# KiCad board ECB-4PIO.kicad_pcb
title: ECB-PIO-I2C; date: 2021-02-27; rev: R04; company: Original design by Dr. Wolfgang Kabatzke; note: Regeneration and correction of R03 by Phillip Summers difficultylevelhigh@gmail.com
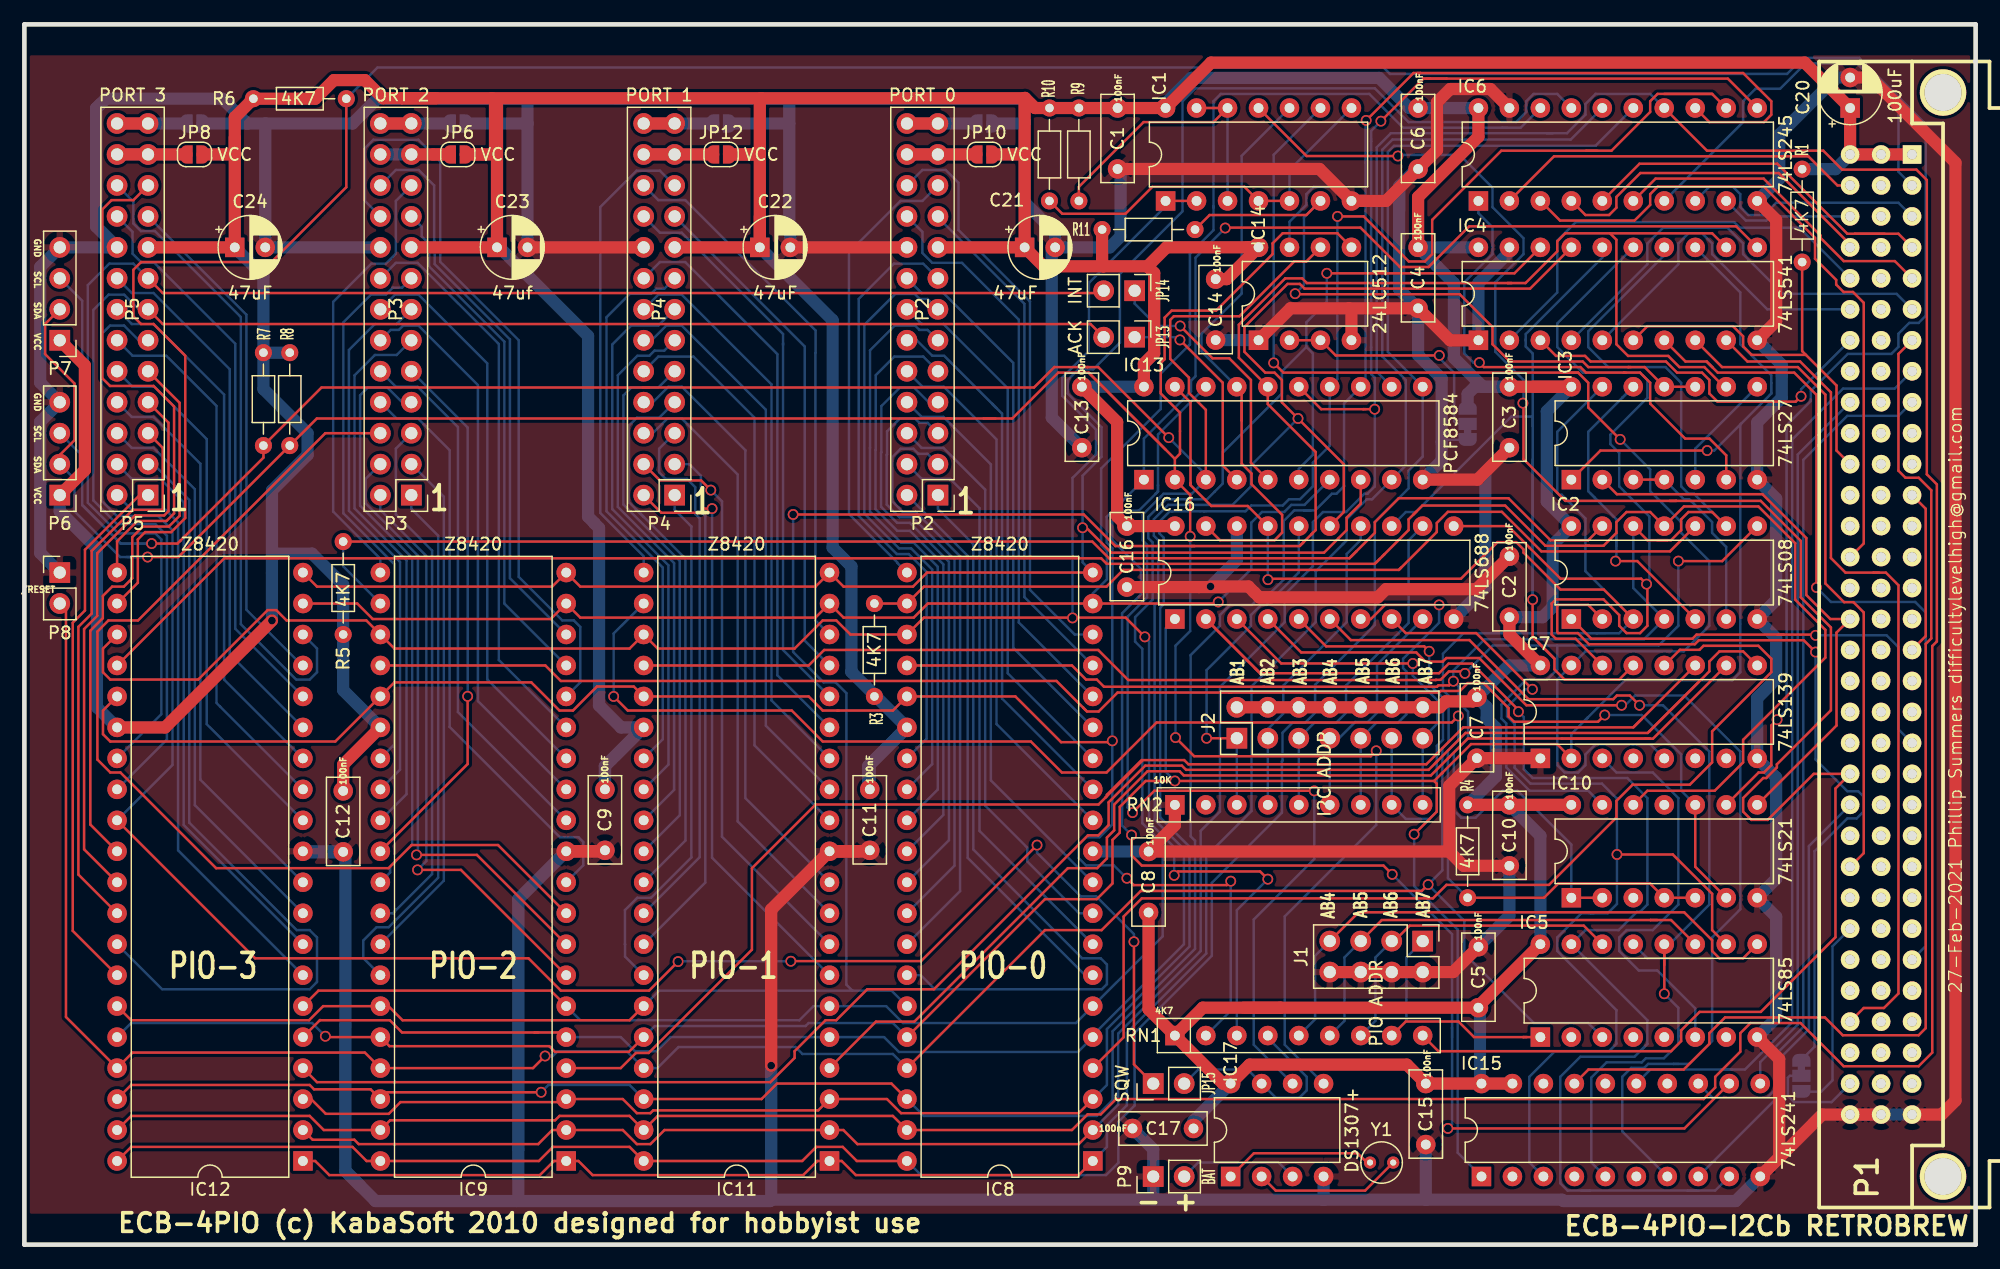
[diagram p0: board, top side]
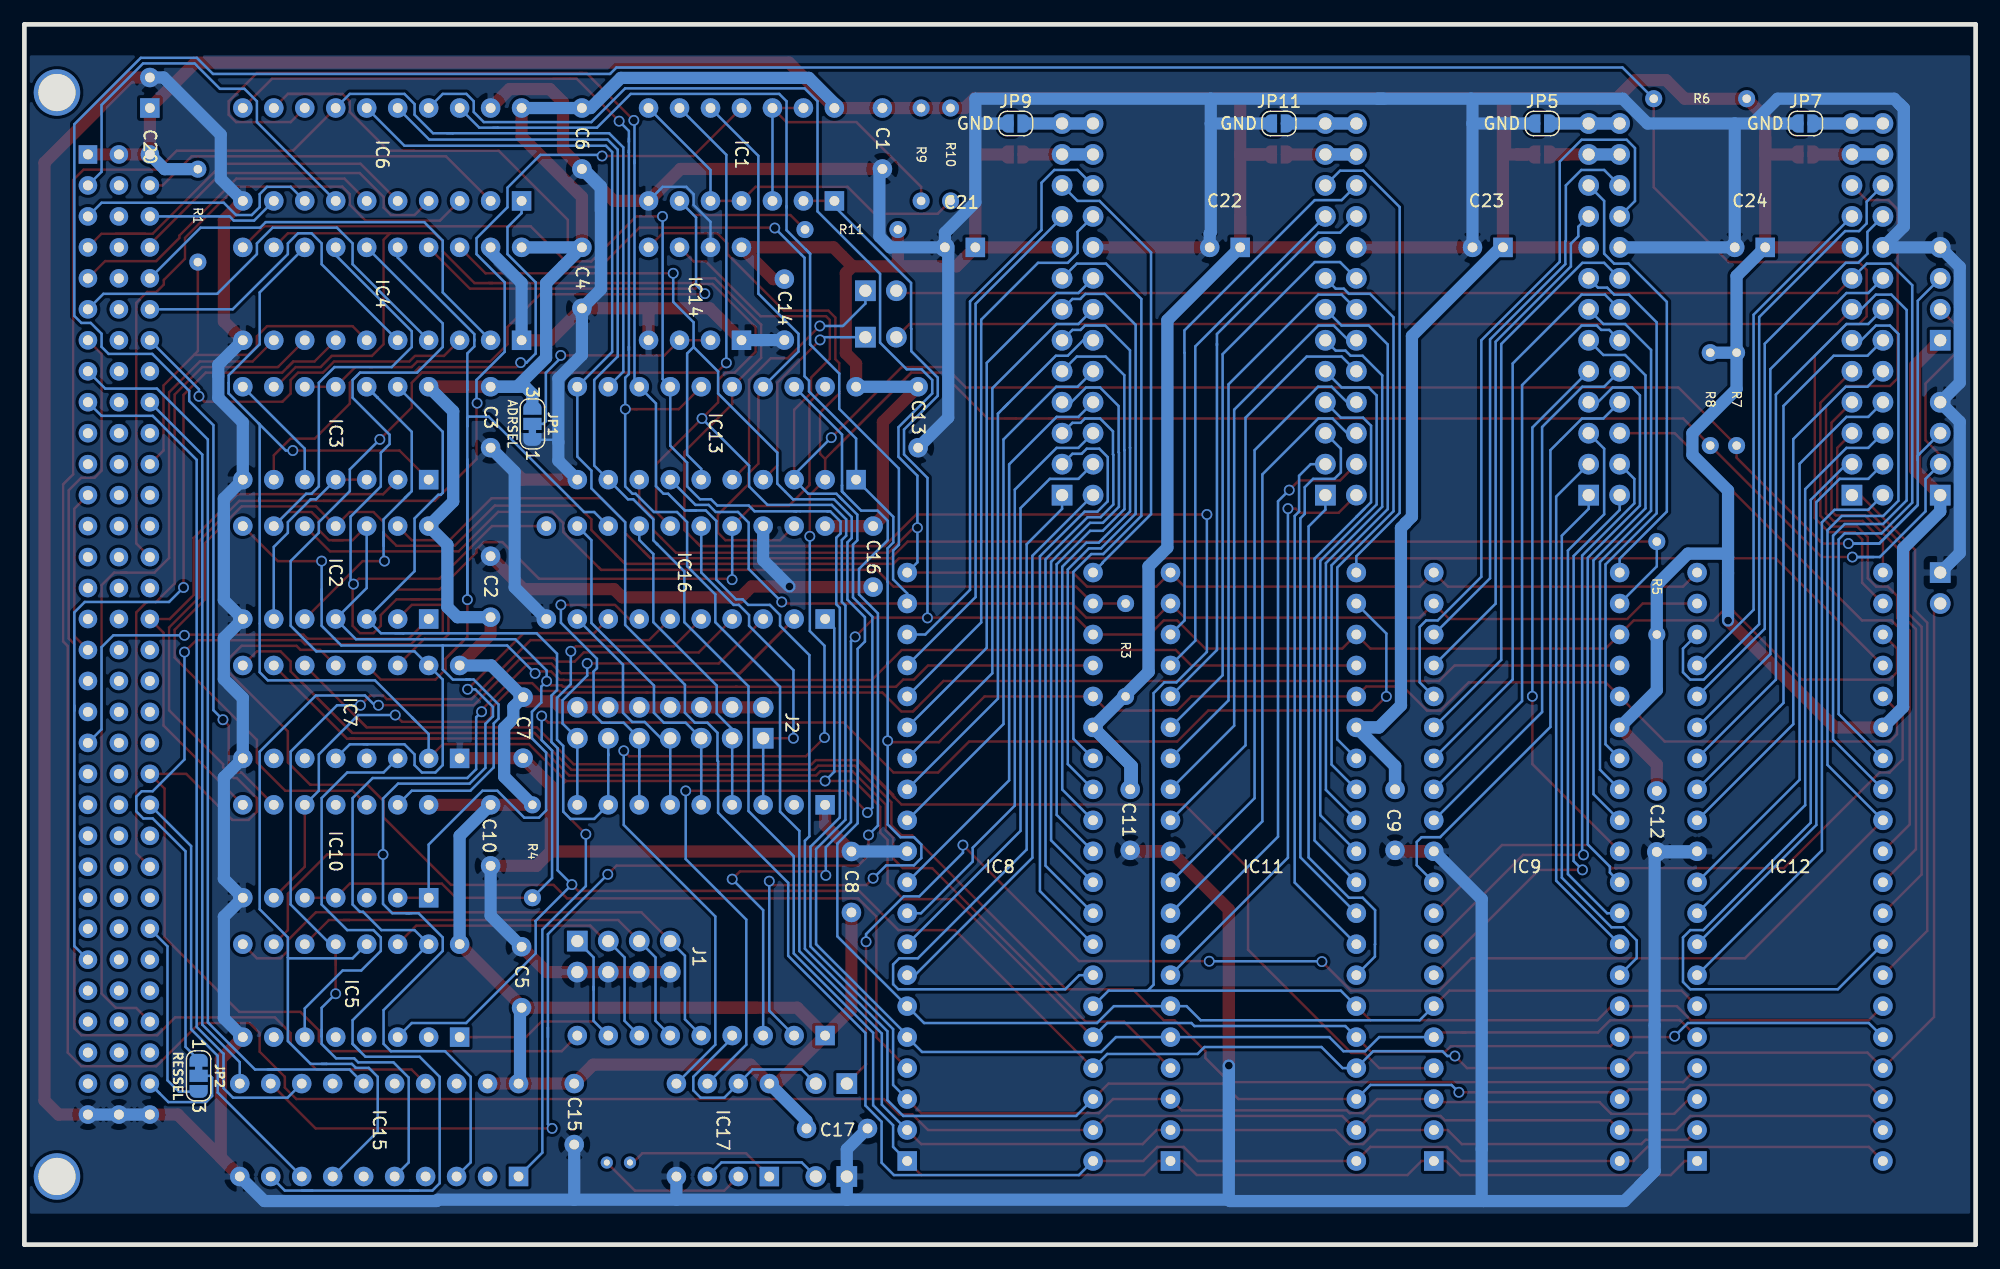
[diagram p1: board, bottom side, seen from below]

Outline 160 x 100.08 mm; copper layers: Vorderseite, Rückseite. Coordinates in mm from the lower left corner of the outline.
Outline path: 0,100.08 0,0 160,0 160,100.08 0,100.08

## Placement (name value [footprint] x y rotation side)
C1  100nF  [C_Disc_D7.0mm_W2.5mm_P5.00mm]  89.64 93.22 270 top
C2  100nF  [C_Disc_D7.0mm_W2.5mm_P5.00mm]  121.77 51.46 90 top
C3  100nF  [C_Disc_D7.0mm_W2.5mm_P5.00mm]  121.77 70.36 270 top
C4  100nF  [C_Disc_D7.0mm_W2.5mm_P5.00mm]  114.28 81.79 270 top
C5  100nF  [C_Disc_D7.0mm_W2.5mm_P5.00mm]  119.23 19.43 90 top
C6  100nF  [C_Disc_D7.0mm_W2.5mm_P5.00mm]  114.28 93.22 270 top
C7  100nF  [C_Disc_D7.0mm_W2.5mm_P5.00mm]  119.11 44.89 270 top
C8  100nF  [C_Disc_D7.0mm_W2.5mm_P5.00mm]  92.18 27.24 90 top
C9  100nF  [C_Disc_D7.0mm_W2.5mm_P5.00mm]  47.6 37.34 270 top
C10  100nF  [C_Disc_D7.0mm_W2.5mm_P5.00mm]  121.77 36.07 270 top
C11  100nF  [C_Disc_D7.0mm_W2.5mm_P5.00mm]  69.32 37.34 270 top
C12  100nF  [C_Disc_D7.0mm_W2.5mm_P5.00mm]  26.14 37.21 270 top
C13  100nF  [C_Disc_D7.0mm_W2.5mm_P5.00mm]  86.71 70.36 270 top
C14  100nF  [C_Disc_D7.0mm_W2.5mm_P5.00mm]  97.68 79.18 270 top
C15  100nF  [C_Disc_D7.0mm_W2.5mm_P5.00mm]  114.91 13.21 270 top
C16  100nF  [C_Disc_D7.0mm_W2.5mm_P5.00mm]  90.4 58.93 270 top
C17  100nF  [C_Disc_D7.0mm_W2.5mm_P5.00mm]  95.87 9.53 180 top
C20  100uF  [CP_Radial_D5.0mm_P2.50mm]  149.71 93.22 90 top
C21  47uF  [CP_Radial_D5.0mm_P2.50mm]  82.02 81.79 0 top
C22  47uF  [CP_Radial_D5.0mm_P2.50mm]  60.3 81.79 0 top
C23  47uf  [CP_Radial_D5.0mm_P2.50mm]  38.76 81.79 0 top
C24  47uF  [CP_Radial_D5.0mm_P2.50mm]  17.25 81.79 0 top
IC1  74LS38  [DIP-14_W7.62mm]  93.58 85.6 90 top
IC2  74LS08  [DIP-14_W7.62mm]  126.85 51.31 90 top
IC3  74LS27  [DIP-14_W7.62mm]  126.85 62.74 90 top
IC4  74LS541  [DIP-20_W7.62mm]  119.23 74.17 90 top
IC5  74LS85  [DIP-16_W7.62mm]  124.31 17.02 90 top
IC6  74LS245  [DIP-20_W7.62mm]  119.23 85.6 90 top
IC7  74LS139  [DIP-16_W7.62mm]  124.31 39.88 90 top
IC8  Z8420  [DIP-40_W15.24mm]  87.61 6.86 180 top
IC9  Z8420  [DIP-40_W15.24mm]  44.43 6.86 180 top
IC10  74LS21  [DIP-14_W7.62mm]  126.85 28.45 90 top
IC11  Z8420  [DIP-40_W15.24mm]  66.02 6.86 180 top
IC12  Z8420  [DIP-40_W15.24mm]  22.84 6.86 180 top
IC13  PCF8584  [DIP-20_W7.62mm]  91.8 62.74 90 top
IC14  24LC512  [DIP-8_W7.62mm]  101.2 74.17 90 top
IC15  74LS241  [DIP-20_W7.62mm]  119.48 5.59 90 top
IC16  74LS688  [DIP-20_W7.62mm]  94.34 51.31 90 top
IC17  DS1307+  [DIP-8_W7.62mm]  98.91 5.59 90 top
J1  PIO ADDR  [PinHeader_2x04_P2.54mm_Vertical]  114.66 24.89 270 top
J2  I2C ADDR  [PinHeader_2x07_P2.54mm_Vertical]  99.42 41.53 90 top
JP1  ADRSEL  [SolderJumper-3_P1.3mm_Bridged12_RoundedPad1.0x1.5mm_NumberLabels]  118.34 67.31 90 bottom
JP2  RESSEL  [SolderJumper-3_P1.3mm_Bridged12_RoundedPad1.0x1.5mm_NumberLabels]  145.71 13.84 270 bottom
JP5  GND  [SolderJumper-2_P1.3mm_Open_RoundedPad1.0x1.5mm]  35.54 91.95 180 bottom
JP6  VCC  [SolderJumper-2_P1.3mm_Open_RoundedPad1.0x1.5mm]  35.54 89.41 0 top
JP7  GND  [SolderJumper-2_P1.3mm_Open_RoundedPad1.0x1.5mm]  13.95 91.95 180 bottom
JP8  VCC  [SolderJumper-2_P1.3mm_Open_RoundedPad1.0x1.5mm]  13.95 89.41 0 top
JP9  GND  [SolderJumper-2_P1.3mm_Open_RoundedPad1.0x1.5mm]  78.72 91.95 180 bottom
JP10  VCC  [SolderJumper-2_P1.3mm_Open_RoundedPad1.0x1.5mm]  78.72 89.41 0 top
JP11  GND  [SolderJumper-2_P1.3mm_Open_RoundedPad1.0x1.5mm]  57.13 91.95 180 bottom
JP12  VCC  [SolderJumper-2_P1.3mm_Open_RoundedPad1.0x1.5mm]  57.13 89.41 0 top
JP13  ACK  [PinHeader_1x02_P2.54mm_Vertical]  91.04 74.42 270 top
JP14  INT  [PinHeader_1x02_P2.54mm_Vertical]  91.04 78.23 270 top
JP15  SQW  [PinHeader_1x02_P2.54mm_Vertical]  92.56 13.21 90 top
P1  C96ABC  [C96ABCMC]  152.25 50.04 90 top
P2  PORT 0  [PinHeader_2x13_P2.54mm_Vertical]  74.91 61.47 180 top
P3  PORT 2  [PinHeader_2x13_P2.54mm_Vertical]  31.73 61.47 180 top
P4  PORT 1  [PinHeader_2x13_P2.54mm_Vertical]  53.32 61.47 180 top
P5  PORT 3  [PinHeader_2x13_P2.54mm_Vertical]  10.14 61.47 180 top
P6  I2C  [PinHeader_1x04_P2.54mm_Vertical]  2.9 61.47 180 top
P7  I2C  [PinHeader_1x04_P2.54mm_Vertical]  2.9 74.17 180 top
P8  /RESET  [PinHeader_1x02_P2.54mm_Vertical]  2.9 55.12 0 top
P9  BAT  [PinHeader_1x02_P2.54mm_Vertical]  92.56 5.59 90 top
R1  4K7  [R_Axial_DIN0204_L3.6mm_D1.6mm_P7.62mm_Horizontal]  145.78 88.2 270 top
R3  4K7  [R_Axial_DIN0204_L3.6mm_D1.6mm_P7.62mm_Horizontal]  69.7 44.96 90 top
R4  4K7  [R_Axial_DIN0204_L3.6mm_D1.6mm_P7.62mm_Horizontal]  118.34 36.07 270 top
R5  4K7  [R_Axial_DIN0204_L3.6mm_D1.6mm_P7.62mm_Horizontal]  26.14 50.04 90 top
R6  4K7  [R_Axial_DIN0204_L3.6mm_D1.6mm_P7.62mm_Horizontal]  18.78 93.98 0 top
R7  4K7  [R_Axial_DIN0204_L3.6mm_D1.6mm_P7.62mm_Horizontal]  19.6 73.15 270 top
R8  4K7  [R_Axial_DIN0204_L3.6mm_D1.6mm_P7.62mm_Horizontal]  21.76 73.15 270 top
R9  4K7  [R_Axial_DIN0204_L3.6mm_D1.6mm_P7.62mm_Horizontal]  86.47 93.22 270 top
R10  4K7  [R_Axial_DIN0204_L3.6mm_D1.6mm_P7.62mm_Horizontal]  84.05 93.22 270 top
R11  4K7  [R_Axial_DIN0204_L3.6mm_D1.6mm_P7.62mm_Horizontal]  88.37 83.25 0 top
RN1  4K7  [R_Array_SIP9]  94.34 17.15 0 top
RN2  10K  [R_Array_SIP9]  94.34 36.07 0 top
Y1  32768  [Crystal_Round_D3.0mm_Vertical]  110.34 6.73 0 top

## Footprints (pads in the part's own frame, mm; a bottom-side part is the same pattern mirrored in y, then rotated)
C96ABCMC
  rect 1.524x1.524 hole 0.813: A1(39.37,-2.54)
  round 1.524 hole 0.813: A2(36.83,-2.54) A3(34.29,-2.54) A4(31.75,-2.54) A5(29.21,-2.54) A6(26.67,-2.54) A7(24.13,-2.54) A8(21.59,-2.54) A9(19.05,-2.54) A10(16.51,-2.54) A11(13.97,-2.54) A12(11.43,-2.54) A13(8.89,-2.54) A14(6.35,-2.54) A15(3.81,-2.54) A16(1.27,-2.54) A17(-1.27,-2.54) A18(-3.81,-2.54) A19(-6.35,-2.54) A20(-8.89,-2.54) A21(-11.43,-2.54) A22(-13.97,-2.54) A23(-16.51,-2.54) A24(-19.05,-2.54) A25(-21.59,-2.54) A26(-24.13,-2.54) A27(-26.67,-2.54) A28(-29.21,-2.54) A29(-31.75,-2.54) A30(-34.29,-2.54) A31(-36.83,-2.54) A32(-39.37,-2.54) B1(39.37,0) B2(36.83,0) B3(34.29,0) B4(31.75,0) B5(29.21,0) B6(26.67,0) B7(24.13,0) B8(21.59,0) B9(19.05,0) B10(16.51,0) B11(13.97,0) B12(11.43,0) B13(8.89,0) B14(6.35,0) B15(3.81,0) B16(1.27,0) B17(-1.27,0) B18(-3.81,0) B19(-6.35,0) B20(-8.89,0) B21(-11.43,0) B22(-13.97,0) B23(-16.51,0) B24(-19.05,0) B25(-21.59,0) B26(-24.13,0) B27(-26.67,0) B28(-29.21,0) B29(-31.75,0) B30(-34.29,0) B31(-36.83,0) B32(-39.37,0) C1(39.37,2.54) C2(36.83,2.54) C3(34.29,2.54) C4(31.75,2.54) C5(29.21,2.54) C6(26.67,2.54) C7(24.13,2.54) C8(21.59,2.54) C9(19.05,2.54) C10(16.51,2.54) C11(13.97,2.54) C12(11.43,2.54) C13(8.89,2.54) C14(6.35,2.54) C15(3.81,2.54) C16(1.27,2.54) C17(-1.27,2.54) C18(-3.81,2.54) C19(-6.35,2.54) C20(-8.89,2.54) C21(-11.43,2.54) C22(-13.97,2.54) C23(-16.51,2.54) C24(-19.05,2.54) C25(-21.59,2.54) C26(-24.13,2.54) C27(-26.67,2.54) C28(-29.21,2.54) C29(-31.75,2.54) C30(-34.29,2.54) C31(-36.83,2.54) C32(-39.37,2.54)
  round 3.81 hole 3.048: HOLE(-44.45,-5.08) HOLE(44.45,-5.08)
C_Disc_D7.0mm_W2.5mm_P5.00mm
  round 1.6 hole 0.8: 1(0,0) 2(5,0)
CP_Radial_D5.0mm_P2.50mm
  rect 1.6x1.6 hole 0.8: 1(0,0)
  round 1.6 hole 0.8: 2(2.5,0)
Crystal_Round_D3.0mm_Vertical
  round 1 hole 0.5: 1(0,0) 2(1.9,0)
DIP-8_W7.62mm
  rect 1.6x1.6 hole 0.8: 1(0,0)
  oval 1.6x1.6 hole 0.8: 2(0,-2.54) 3(0,-5.08) 4(0,-7.62) 5(7.62,-7.62) 6(7.62,-5.08) 7(7.62,-2.54) 8(7.62,0)
DIP-14_W7.62mm
  rect 1.6x1.6 hole 0.8: 1(0,0)
  oval 1.6x1.6 hole 0.8: 2(0,-2.54) 3(0,-5.08) 4(0,-7.62) 5(0,-10.16) 6(0,-12.7) 7(0,-15.24) 8(7.62,-15.24) 9(7.62,-12.7) 10(7.62,-10.16) 11(7.62,-7.62) 12(7.62,-5.08) 13(7.62,-2.54) 14(7.62,0)
DIP-16_W7.62mm
  rect 1.6x1.6 hole 0.8: 1(0,0)
  oval 1.6x1.6 hole 0.8: 2(0,-2.54) 3(0,-5.08) 4(0,-7.62) 5(0,-10.16) 6(0,-12.7) 7(0,-15.24) 8(0,-17.78) 9(7.62,-17.78) 10(7.62,-15.24) 11(7.62,-12.7) 12(7.62,-10.16) 13(7.62,-7.62) 14(7.62,-5.08) 15(7.62,-2.54) 16(7.62,0)
DIP-20_W7.62mm
  rect 1.6x1.6 hole 0.8: 1(0,0)
  oval 1.6x1.6 hole 0.8: 2(0,-2.54) 3(0,-5.08) 4(0,-7.62) 5(0,-10.16) 6(0,-12.7) 7(0,-15.24) 8(0,-17.78) 9(0,-20.32) 10(0,-22.86) 11(7.62,-22.86) 12(7.62,-20.32) 13(7.62,-17.78) 14(7.62,-15.24) 15(7.62,-12.7) 16(7.62,-10.16) 17(7.62,-7.62) 18(7.62,-5.08) 19(7.62,-2.54) 20(7.62,0)
DIP-40_W15.24mm
  rect 1.6x1.6 hole 0.8: 1(0,0)
  oval 1.6x1.6 hole 0.8: 2(0,-2.54) 3(0,-5.08) 4(0,-7.62) 5(0,-10.16) 6(0,-12.7) 7(0,-15.24) 8(0,-17.78) 9(0,-20.32) 10(0,-22.86) 11(0,-25.4) 12(0,-27.94) 13(0,-30.48) 14(0,-33.02) 15(0,-35.56) 16(0,-38.1) 17(0,-40.64) 18(0,-43.18) 19(0,-45.72) 20(0,-48.26) 21(15.24,-48.26) 22(15.24,-45.72) 23(15.24,-43.18) 24(15.24,-40.64) 25(15.24,-38.1) 26(15.24,-35.56) 27(15.24,-33.02) 28(15.24,-30.48) 29(15.24,-27.94) 30(15.24,-25.4) 31(15.24,-22.86) 32(15.24,-20.32) 33(15.24,-17.78) 34(15.24,-15.24) 35(15.24,-12.7) 36(15.24,-10.16) 37(15.24,-7.62) 38(15.24,-5.08) 39(15.24,-2.54) 40(15.24,0)
PinHeader_1x02_P2.54mm_Vertical
  rect 1.7x1.7 hole 1: 1(0,0)
  oval 1.7x1.7 hole 1: 2(0,-2.54)
PinHeader_1x04_P2.54mm_Vertical
  rect 1.7x1.7 hole 1: 1(0,0)
  oval 1.7x1.7 hole 1: 2(0,-2.54) 3(0,-5.08) 4(0,-7.62)
PinHeader_2x04_P2.54mm_Vertical
  rect 1.7x1.7 hole 1: 1(0,0)
  oval 1.7x1.7 hole 1: 2(2.54,0) 3(0,-2.54) 4(2.54,-2.54) 5(0,-5.08) 6(2.54,-5.08) 7(0,-7.62) 8(2.54,-7.62)
PinHeader_2x07_P2.54mm_Vertical
  rect 1.7x1.7 hole 1: 1(0,0)
  oval 1.7x1.7 hole 1: 2(2.54,0) 3(0,-2.54) 4(2.54,-2.54) 5(0,-5.08) 6(2.54,-5.08) 7(0,-7.62) 8(2.54,-7.62) 9(0,-10.16) 10(2.54,-10.16) 11(0,-12.7) 12(2.54,-12.7) 13(0,-15.24) 14(2.54,-15.24)
PinHeader_2x13_P2.54mm_Vertical
  rect 1.7x1.7 hole 1: 1(0,0)
  oval 1.7x1.7 hole 1: 2(2.54,0) 3(0,-2.54) 4(2.54,-2.54) 5(0,-5.08) 6(2.54,-5.08) 7(0,-7.62) 8(2.54,-7.62) 9(0,-10.16) 10(2.54,-10.16) 11(0,-12.7) 12(2.54,-12.7) 13(0,-15.24) 14(2.54,-15.24) 15(0,-17.78) 16(2.54,-17.78) 17(0,-20.32) 18(2.54,-20.32) 19(0,-22.86) 20(2.54,-22.86) 21(0,-25.4) 22(2.54,-25.4) 23(0,-27.94) 24(2.54,-27.94) 25(0,-30.48) 26(2.54,-30.48)
R_Array_SIP9
  rect 1.6x1.6 hole 0.8: 1(0,0)
  oval 1.6x1.6 hole 0.8: 2(2.54,0) 3(5.08,0) 4(7.62,0) 5(10.16,0) 6(12.7,0) 7(15.24,0) 8(17.78,0) 9(20.32,0)
R_Axial_DIN0204_L3.6mm_D1.6mm_P7.62mm_Horizontal
  round 1.4 hole 0.7: 1(0,0)
  oval 1.4x1.4 hole 0.7: 2(7.62,0)
SolderJumper-2_P1.3mm_Open_RoundedPad1.0x1.5mm
  custom 1x1.5 smd: 1(-0.65,0) 2(0.65,0)
SolderJumper-3_P1.3mm_Bridged12_RoundedPad1.0x1.5mm_NumberLabels
  custom 1.05x1.5 smd: 1(-1.3,0) 3(1.3,0)
  rect 1x1.5 smd: 2(0,0)

## Nets
GND: C1.2 C2.2 C3.2 C4.2 C5.2 C6.2 C7.2 C8.2 C9.2 C10.2 C11.2 C12.2 C13.2 C14.2 C15.2 C16.2 C17.2 C20.2 C21.2 C22.2 C23.2 C24.2 IC1.7 IC2.7 IC3.7 IC4.1 IC4.10 IC4.19 IC5.8 IC6.10 IC6.19 IC7.1 IC7.8 IC8.11 IC9.11 IC10.7 IC11.11 IC12.11 IC13.10 IC14.1 IC14.4 IC14.7 IC15.10 IC16.10 IC16.18 IC17.4 J1.2 J1.4 J1.6 J1.8 JP1.1 JP5.1 JP7.1 JP9.1 JP11.1 P1.A32 P1.B32 P1.C32 P2.18 P3.18 P4.18 P5.18 P6.4 P7.4 P8.1 P9.1 RN2.1
VCC: C1.1 C2.1 C3.1 C4.1 C5.1 C6.1 C7.1 C8.1 C9.1 C10.1 C11.1 C12.1 C13.1 C14.1 C15.1 C16.1 C17.1 C20.1 C21.1 C22.1 C23.1 C24.1 IC1.14 IC2.14 IC3.14 IC4.20 IC5.16 IC6.20 IC7.16 IC8.26 IC9.26 IC10.14 IC11.26 IC12.26 IC13.20 IC14.8 IC15.19 IC15.20 IC16.20 IC17.8 J2.2 J2.4 J2.6 J2.8 J2.10 J2.12 J2.14 JP1.3 JP6.2 JP8.2 JP10.2 JP12.2 P1.A1 P1.B1 P1.C1 P2.17 P3.17 P4.17 P5.17 P6.1 P7.1 R1.1 R3.1 R4.1 R5.1 R6.1 R7.1 R8.1 R9.1 R10.1 R11.1 RN1.1
/0A0: IC8.15 P2.16
/0A1: IC8.14 P2.14
/0A2: IC8.13 P2.12
/0A3: IC8.12 P2.10
/0A4: IC8.10 P2.8
/0A5: IC8.9 P2.6
/0A6: IC8.8 P2.4
/0A7: IC8.7 P2.2
/0ARDY: IC8.18 P2.22
/0ASTB: IC8.16 P2.20
/0B0: IC8.27 P2.15
/0B1: IC8.28 P2.13
/0B2: IC8.29 P2.11
/0B3: IC8.30 P2.9
/0B4: IC8.31 P2.7
/0B5: IC8.32 P2.5
/0B6: IC8.33 P2.3
/0B7: IC8.34 P2.1
/0BRDY: IC8.21 P2.21
/0BSTB: IC8.17 P2.19
/1A0: IC11.15 P4.16
/1A1: IC11.14 P4.14
/1A2: IC11.13 P4.12
/1A3: IC11.12 P4.10
/1A4: IC11.10 P4.8
/1A5: IC11.9 P4.6
/1A6: IC11.8 P4.4
/1A7: IC11.7 P4.2
/1ARDY: IC11.18 P4.22
/1ASTB: IC11.16 P4.20
/1B0: IC11.27 P4.15
/1B1: IC11.28 P4.13
/1B2: IC11.29 P4.11
/1B3: IC11.30 P4.9
/1B4: IC11.31 P4.7
/1B5: IC11.32 P4.5
/1B6: IC11.33 P4.3
/1B7: IC11.34 P4.1
/1BRDY: IC11.21 P4.21
/1BSTB: IC11.17 P4.19
/2A0: IC9.15 P3.16
/2A1: IC9.14 P3.14
/2A2: IC9.13 P3.12
/2A3: IC9.12 P3.10
/2A4: IC9.10 P3.8
/2A5: IC9.9 P3.6
/2A6: IC9.8 P3.4
/2A7: IC9.7 P3.2
/2ARDY: IC9.18 P3.22
/2ASTB: IC9.16 P3.20
/2B0: IC9.27 P3.15
/2B1: IC9.28 P3.13
/2B2: IC9.29 P3.11
/2B3: IC9.30 P3.9
/2B4: IC9.31 P3.7
/2B5: IC9.32 P3.5
/2B6: IC9.33 P3.3
/2B7: IC9.34 P3.1
/2BRDY: IC9.21 P3.21
/2BSTB: IC9.17 P3.19
/3A0: IC12.15 P5.16
/3A1: IC12.14 P5.14
/3A2: IC12.13 P5.12
/3A3: IC12.12 P5.10
/3A4: IC12.10 P5.8
/3A5: IC12.9 P5.6
/3A6: IC12.8 P5.4
/3A7: IC12.7 P5.2
/3ARDY: IC12.18 P5.22
/3ASTB: IC12.16 P5.20
/3B0: IC12.27 JP14.2 P5.15
/3B1: IC12.28 JP13.2 P5.13
/3B2: IC12.29 JP15.1 P5.11
/3B3: IC12.30 P5.9
/3B4: IC12.31 P5.7
/3B5: IC12.32 P5.5
/3B6: IC12.33 P5.3
/3B7: IC12.34 P5.1
/3BRDY: IC12.21 P5.21
/3BSTB: IC12.17 P5.19
//CE-PIO0: IC7.12 IC8.4
//CE-PIO1: IC7.11 IC9.4
//CE-PIO2: IC7.10 IC11.4
//I/O-DECODE: IC1.9 IC7.5 IC7.15
//IORQ: IC3.1 IC4.13 IC7.2 IC8.36 IC9.36 IC11.36 IC12.36 IC15.1 IC16.1
//M1-PIO: IC2.3 IC3.13 IC5.3 IC8.37 IC9.37 IC11.37 IC12.37 IC13.19 IC16.17 P8.2
//RD: IC3.9 IC4.12 IC8.35 IC9.35 IC11.35 IC12.35 IC13.16
/AB0: IC4.18 IC8.6 IC9.6 IC11.6 IC12.6 IC13.6
/AB1: IC4.17 IC8.5 IC9.5 IC11.5 IC12.5 IC16.15
/AB2: IC4.16 IC7.13 IC16.13
/AB3: IC4.15 IC7.14 IC16.11
/AB4: IC5.10 IC15.3 IC16.8
/AB5: IC5.12 IC15.5 IC16.6
/AB6: IC5.13 IC15.7 IC16.4
/AB7: IC5.15 IC15.9 IC16.2
/B_/BAI: P1.A12 P1.A17
/B_/INT: IC1.11 P1.C21 RN1.9
/B_/IORQ: IC4.7 P1.A27
/B_/M1: IC2.1 P1.A20
/B_/PWCLR: JP2.3 P1.C26
/B_/RD: IC4.8 P1.C24
/B_/RESET: IC2.2 JP2.1 JP2.2 P1.C31
/B_AB0: IC4.2 P1.C5
/B_AB1: IC4.3 P1.C7
/B_AB2: IC4.4 P1.A6
/B_AB3: IC4.5 P1.C6
/B_AB4: IC15.17 P1.A7
/B_AB5: IC15.15 P1.A8
/B_AB6: IC15.13 P1.A9
/B_AB7: IC15.11 P1.C9
/B_DB0: IC6.2 P1.C2
/B_DB1: IC6.3 P1.C14
/B_DB2: IC6.4 P1.C4
/B_DB3: IC6.5 P1.A4
/B_DB4: IC6.6 P1.A5
/B_DB5: IC6.7 P1.A2
/B_DB6: IC6.8 P1.A3
/B_DB7: IC6.9 P1.C3
/B_IEI: IC4.6 P1.C11 R1.2
/B_IEO: IC3.2 IC10.8 P1.C16
/B_PHI: IC4.9 P1.C29
/B_~{WR}: IC15.8 P1.C22
/DB0: IC6.18 IC8.19 IC9.19 IC11.19 IC12.19 IC13.7
/DB1: IC6.17 IC8.20 IC9.20 IC11.20 IC12.20 IC13.8
/DB2: IC6.16 IC8.1 IC9.1 IC11.1 IC12.1 IC13.9
/DB3: IC6.15 IC8.40 IC9.40 IC11.40 IC12.40 IC13.11
/DB4: IC6.14 IC8.39 IC9.39 IC11.39 IC12.39 IC13.12
/DB5: IC6.13 IC8.38 IC9.38 IC11.38 IC12.38 IC13.13
/DB6: IC6.12 IC8.3 IC9.3 IC11.3 IC12.3 IC13.14
/DB7: IC6.11 IC8.2 IC9.2 IC11.2 IC12.2 IC13.15
/IEI: IC2.4 IC2.9 IC2.12 IC4.14 IC8.24 IC10.1 IC10.2
/IEO_0: IC2.8 IC10.13 IC11.24
/IEO_1: IC9.24 IC10.6 IC10.10
/IEO_2: IC2.11 IC10.12 IC12.24
/PHI: IC4.11 IC8.25 IC9.25 IC11.25 IC12.25 IC13.1 RN1.2
/PU3: IC1.4 IC1.5 IC1.8 R10.2
/SCL: IC13.3 IC14.6 IC17.6 P6.3 P7.3 R7.2
/SDA: IC13.2 IC14.5 IC17.5 P6.2 P7.2 R8.2
/SMA1: IC14.2 IC14.3 JP1.2
/SQW: IC17.7 JP15.2 RN1.4
/~{CE-PIO3}: IC7.9 IC12.4
/~{INT}: IC1.1 IC1.2 IC8.23 IC9.23 IC11.23 IC12.23 RN1.3
/~{WR}: IC13.18 IC15.12
Net-(IC1-Pad6): IC1.6 IC3.10 IC3.11 R11.2
Net-(IC1-Pad10): IC1.10 IC13.17 IC16.19
Net-(IC1-Pad12): IC1.3 IC1.12 IC1.13 R9.2
Net-(IC2-Pad5): IC2.5 IC3.12
Net-(IC2-Pad6): IC2.6 IC3.3 IC3.4
Net-(IC2-Pad10): IC2.10 IC8.22 R3.2
Net-(IC2-Pad13): IC2.13 IC9.22 R5.2
Net-(IC3-Pad5): IC3.5 IC3.8
Net-(IC3-Pad6): IC3.6 IC6.1
Net-(IC5-Pad1): IC5.1 J1.1 RN1.8
Net-(IC5-Pad6): IC5.6 IC7.3
Net-(IC5-Pad9): IC5.9 J1.7 RN1.5
Net-(IC5-Pad11): IC5.11 J1.5 RN1.6
Net-(IC5-Pad14): IC5.14 J1.3 RN1.7
Net-(IC10-Pad4): IC10.4 IC10.5 IC11.22 R4.2
Net-(IC10-Pad9): IC10.9 IC12.22 R6.2
Net-(IC13-Pad4): IC13.4 JP13.1
Net-(IC13-Pad5): IC13.5 JP14.1
Net-(IC16-Pad3): IC16.3 J2.13 RN2.9
Net-(IC16-Pad5): IC16.5 J2.11 RN2.8
Net-(IC16-Pad7): IC16.7 J2.9 RN2.7
Net-(IC16-Pad9): IC16.9 J2.7 RN2.6
Net-(IC16-Pad12): IC16.12 J2.5 RN2.5
Net-(IC16-Pad14): IC16.14 J2.3 RN2.4
Net-(IC16-Pad16): IC16.16 J2.1 RN2.3
Net-(IC17-Pad1): IC17.1 Y1.1
Net-(IC17-Pad2): IC17.2 Y1.2
Net-(IC17-Pad3): IC17.3 P9.2
Net-(JP5-Pad2): JP5.2 P3.25 P3.26
Net-(JP6-Pad1): JP6.1 P3.23 P3.24
Net-(JP7-Pad2): JP7.2 P5.25 P5.26
Net-(JP8-Pad1): JP8.1 P5.23 P5.24
Net-(JP9-Pad2): JP9.2 P2.25 P2.26
Net-(JP10-Pad1): JP10.1 P2.23 P2.24
Net-(JP11-Pad2): JP11.2 P4.25 P4.26
Net-(JP12-Pad1): JP12.1 P4.23 P4.24

Pads without a net: IC5 2 4 5 7; IC7 4 6 7; IC10 3 11; IC15 2 4 6 14 16 18; P1 A10 A11 A13 A14 A15 A16 A18 A19 A21 A22 A23 A24 A25 A26 A28 A29 A30 A31 B2 B3 B4 B5 B6 B7 B8 B9 B10 B11 B12 B13 B14 B15 B16 B17 B18 B19 B20 B21 B22 B23 B24 B25 B26 B27 B28 B29 B30 B31 C8 C10 C12 C13 C15 C17 C18 C19 C20 C23 C25 C27 C28 C30 HOLE; RN2 2

## Via types
v1: diameter 0.889, hole 0.635, Vorderseite to Rückseite, 81 vias

## Routing (per net, layer and track width the routed paths; a pad name or vN(x,y) marks a point on that pad's centre or on a via; arc(x,y) is an arc through that point)
GND: length 965.6
  Vorderseite w1: 116.84,32.24 116.84,37.63 C7.2 124.29,39.89 IC7.1 ; 116.84,32.24 118.01,31.07 C10.2 ; 116.84,32.24 C8.2 ; 101.28,53.09 102.22,53.09 ; 102.22,53.09 101.26,53.09 100.37,53.98 v1(97.26,53.98) ; 102.22,53.09 110.98,53.09 111.65,53.75 119.07,53.75 C2.2 ; C8.2 92.98,33.04 ; C8.2 94.34,34.4 RN2.1 ; IC4.10 143.64,75.72 143.64,84.04 IC6.10 142.5,85.18 ; C16.2 98.34,53.93 ; IC5.8 143.89,15.21 143.89,7.14 IC15.10 147.42,10.67 P1.C32 P1.B32 ; C11.2 69.24,32.26 IC11.11 ; 115.84,92.17 115.84,89.77 C6.2 111.66,85.6 IC1.7 ; 115.84,92.17 115.84,91.48 ; 115.84,92.17 115.84,93.7 116.91,94.77 120.22,94.77 IC6.19 ; IC1.7 109.95,85.6 ; IC1.7 106.2,88.22 C1.2 ; C22.2 P2.18 ; 108.61,76.79 103.82,76.79 IC14.1 101.19,74.18 ; 108.61,76.79 C4.2 116.91,74.17 IC4.1 ; 108.61,76.79 108.82,76.58 IC14.4 ; IC13.10 119.15,62.74 C3.2 ; C20.2 151.36,95.72 158.35,88.73 158.35,11.81 157.21,10.67 P1.A32 ; C23.2 P4.18 ; J1.8 J1.2 117.15,22.35 C5.2
  Vorderseite w1.016: v1(61.24,14.68) 61.24,27.48 IC11.11 ; 69.19,32.34 69.12,32.26 IC11.11 ; 47.48,32.26 IC9.11 47.52,32.26 C9.2 ; IC11.11 68.35,32.26
  Rückseite w0.203: 116.21,65.81 116.41,66.01 JP1.1 ; IC14.7 103.74,83.89 105.12,85.27 105.12,86.15 105.72,86.75 107.66,86.75 IC1.7
  Rückseite w1: IC6.10 143.9,87.4 143.9,91.03 148.58,95.72 C20.2 ; 26.32,6.04 28.79,3.58 40.39,3.58 ; 143.64,58.71 143.64,52.86 IC2.7 143.64,49.75 143.64,46.38 142.09,44.83 ; 143.64,58.71 143.64,61.18 IC3.7 142.09,67.43 144.1,69.44 144.1,72.16 IC4.10 ; 143.64,58.71 143.64,60.02 ; C15.2 114.91,3.68 ; 114.91,3.68 126.08,3.68 126.19,3.58 140.33,3.58 IC15.10 ; 114.91,3.68 106.53,3.68 ; 106.53,3.68 IC17.4 ; 106.53,3.68 92.56,3.68 ; 41.38,93.98 28.94,93.98 26.9,91.95 19.75,91.95 ; 41.38,93.98 41.26,93.85 41.26,91.95 ; 41.38,93.98 49,93.98 ; C8.2 87.63,32.24 IC8.11 ; 61.24,5.96 61.24,3.66 ; 61.24,3.66 61.26,3.68 92.56,3.68 ; 61.24,3.66 61.15,3.58 40.39,3.58 ; 62.72,91.95 62.72,93.98 ; 62.72,91.95 JP11.1 ; 62.72,91.95 62.72,83.01 62.8,82.92 C22.2 ; 62.72,93.98 49,93.98 ; 62.72,93.98 82.02,93.98 82.02,92.08 ; IC16.18 99.42,56.13 v1(97.26,53.98) ; 19.75,91.95 C24.2 P3.18 ; 19.75,91.95 18.27,91.95 ; C13.2 84.25,67.83 84.25,81.51 C21.2 ; C14.2 101.19,74.18 IC14.1 101.2,74.17 ; P1.C32 P1.A32 ; IC13.10 116.21,64.29 116.21,71.02 114.28,72.95 C4.2 112.73,78.35 112.73,86.66 C6.2 ; 40.39,3.58 40.5,3.69 40.5,7.82 ; IC12.11 26.09,32.26 C12.2 26.32,32.03 26.32,17.98 ; JP7.1 18.27,91.95 ; 18.27,91.95 16.24,93.98 6.68,93.98 6.26,93.56 ; 92.56,3.68 92.56,7.83 C17.2 ; IC4.19 121.77,81.41 119.23,78.87 IC4.1 ; IC5.8 143.64,18.57 143.64,26.89 IC10.7 143.64,30 143.64,38.32 IC7.8 142.09,44.83 ; IC16.10 119.8,53.91 119.8,63.39 C3.2 ; 48.49,93.98 49,93.98 ; 114.15,88.22 112.73,86.79 112.73,84.81 ; C21.2 84.52,82.98 82.02,85.48 82.02,92.08 ; C21.2 89,81.79 89.89,82.68 89.89,87.97 C1.2 ; 82.02,92.08 81.9,91.95 JP9.1 ; 142.09,44.83 143.2,45.94 ; C10.2 121.77,26.97 C5.2 ; JP5.1 41.26,91.95 ; 41.26,91.95 C23.2 ; P8.1 1.3,56.72 1.3,67.48 P6.4 1.3,70.69 1.3,80.18 P7.4 P5.18
  Rückseite w1.016: 25.89,32.18 22.92,32.18 IC12.11 ; 27.54,4.83 26.32,6.04 26.32,17.98 ; 6.26,93.56 5.89,93.19 ; 5.89,93.19 6.18,93.48 ; 5.89,93.19 5.89,83.5 P5.18 ; 61.24,5.96 v1(61.24,14.68) ; IC9.11 40.5,28.33 40.5,7.82
VCC: length 788.5
  Vorderseite w0.203: 126.85,70.75 126.85,70.91 ; 126.85,70.75 126.85,70.05 ; 126.85,70.75 126.85,70.43
  Vorderseite w1: C13.1 89.6,67.47 89.6,59.73 C16.1 IC16.20 ; P2.17 C21.1 ; C21.1 83.58,80.23 88.47,80.23 ; C21.1 82.02,89.41 ; P7.1 4.96,72.11 4.96,63.53 P6.1 ; RN1.1 98.28,13.21 IC17.8 100.47,14.76 113.36,14.76 C15.1 122.02,13.21 IC15.19 ; RN1.1 96.63,19.43 102.98,19.43 ; RN1.1 92.18,19.3 C8.1 ; 102.98,19.43 99.99,19.43 ; 102.98,19.43 C5.1 119.23,19.56 IC5.16 124.31,24.38 ; 92.09,80.23 88.47,80.23 ; 92.09,80.23 93.65,81.79 IC14.8 ; 92.09,80.23 92.64,79.69 92.64,73.09 91.8,72.25 IC13.20 ; 88.47,80.23 88.37,80.33 R11.1 ; 38.33,94.02 60.43,94.02 ; 38.33,94.02 30.97,94.02 ; 38.33,94.02 38.59,93.76 ; 60.43,94.02 60.3,93.89 60.3,89.41 ; 60.43,94.02 82.02,94.02 ; C23.1 38.71,81.83 ; C23.1 38.76,93.6 38.59,93.76 ; C23.1 P3.17 ; 30.97,94.02 29.41,94.02 27.92,95.5 25.38,95.5 23.86,93.98 19.03,93.98 ; 30.97,94.02 33.76,94.02 ; P5.17 C24.1 17.25,89.41 ; 60.3,84.29 C22.1 ; C22.1 P4.17 ; C22.1 60.3,89.41 ; IC6.20 119.23,90.87 114.28,85.92 C4.1 114.29,81.79 ; J2.2 116.07,44.07 116.55,44.55 118.76,44.55 C7.1 ; 37.57,89.41 36.81,89.41 ; 37.57,89.41 JP6.2 ; 37.57,89.41 38.59,89.41 38.59,93.76 ; JP8.2 17.25,89.41 ; 17.25,89.41 17.25,90.8 ; 17.25,89.41 17.25,92.46 R6.1 ; C12.1 26.14,39.37 IC9.26 ; C3.1 IC3.14 123.74,70.36 ; 60.3,89.41 58.4,89.41 ; 60.3,89.41 JP12.2 ; IC12.26 11.54,42.42 v1(20.3,51.18) ; R4.1 IC10.14 ; P1.A1 P1.C1 149.71,93.22 C20.1 145.99,96.94 97.3,96.94 IC1.14 C1.1 82.87,93.22 82.05,94.04 82.02,94.02 ; 82.02,89.41 82.02,94.02 ; 82.02,89.41 JP10.2 ; IC14.8 98.59,79.18 C14.1 ; IC14.8 100.19,81.79 ; IC7.16 121.77,50.03 C2.1